# KiCad board gnss_card_rev1.kicad_pcb (continued)
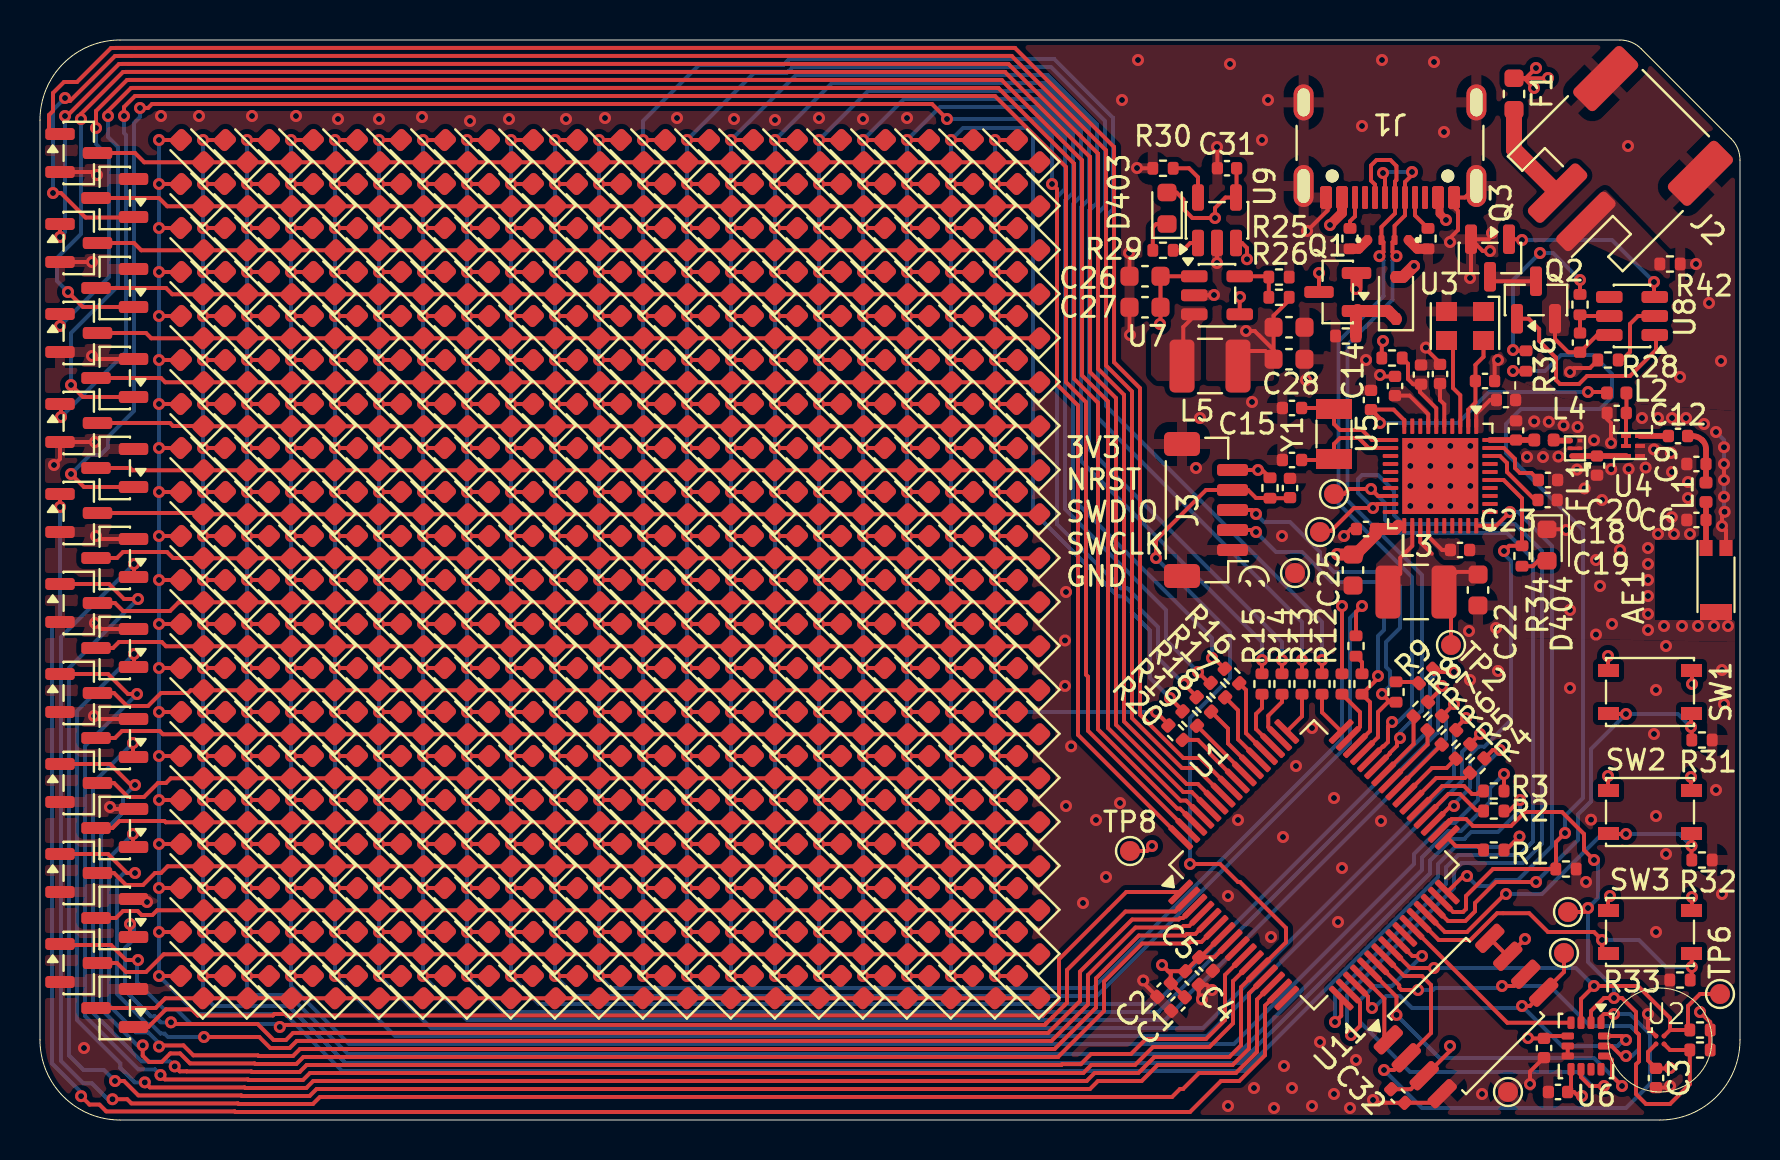
[diagram p0: board, top side]
## Routing (per net, layer and track width the routed paths; a pad name or vN(x,y) marks a point on that pad's centre or on a via; arc(x,y) is an arc through that point) (continued)
  Bottom w0.2: v1(73.97,14.17) 73.45,13.65 70.75,13.65 69.9,12.8 69.9,12.15 60.2,2.45 15.11,2.45 12.26,5.3 7.85,5.3 v1(5.95,7.2) v1(5.95,49)
Net-(D1-K): length 47.3
  Top w0.2: D1.1 D381.1 ; D1.1 8.15,47.9 ; D1.1 5.21,47.89 4.75,48.35 Q4.3
Net-(D10-K): length 47.4
  Top w0.2: Q13.3 3.85,28.1 4.15,28.4 6.35,28.4 6.65,28.1 8.15,28.1 D10.1 D390.1
Net-(D11-K): length 47.4
  Top w0.2: D391.1 D11.1 6.94,25.89 6.5,25.45 4.15,25.45 3.75,25.85 Q14.3
Net-(D21-A): length 139.1
  Top w0.2: D35.2 v1(8.15,18.2) ; D27.2 v1(8.15,35.8) ; D38.2 v1(8.15,11.6) ; D37.2 v1(8.15,13.8) ; R2.2 73.45,15.45 v1(74,16) ; D24.2 v1(8.15,42.4) ; D30.2 v1(8.15,29.2) ; D40.2 v1(8.15,7.2) ; D26.2 v1(8.15,38) ; D36.2 v1(8.15,16) ; D22.2 v1(8.15,46.8) ; D33.2 v1(8.15,22.6) ; D31.2 v1(8.15,27) ; D23.2 v1(8.15,44.6) ; D25.2 v1(8.15,40.2) ; D28.2 v1(8.15,33.6) ; D32.2 v1(8.15,24.8) ; D39.2 v1(8.15,9.4) ; D21.2 v1(8.15,49) ; D34.2 v1(8.15,20.4) ; D29.2 v1(8.15,31.4)
  Bottom w0.2: v1(8.15,49) v1(8.15,7.2) 8.15,6.25 8.7,5.7 12.42,5.7 15.28,2.85 60.02,2.85 69.5,12.33 69.5,12.97 70.58,14.05 71.22,14.05 71.57,14.4 72.9,14.4 74,15.5 v1(74,16)
Net-(D41-A): length 136.3
  Top w0.2: R3.2 v1(73.2,17.3) ; D53.2 v1(10.35,22.6) ; D46.2 v1(10.35,38) ; D60.2 v1(10.35,7.2) ; D43.2 v1(10.35,44.6) ; D44.2 v1(10.35,42.4) ; D58.2 v1(10.35,11.6) ; D51.2 v1(10.35,27) ; D54.2 v1(10.35,20.4) ; D59.2 v1(10.35,9.4) ; D57.2 v1(10.35,13.8) ; D52.2 v1(10.35,24.8) ; D47.2 v1(10.35,35.8) ; D49.2 v1(10.35,31.4) ; D48.2 v1(10.35,33.6) ; D56.2 v1(10.35,16) ; D45.2 v1(10.35,40.2) ; D42.2 v1(10.35,46.8) ; D41.2 v1(10.35,49) ; D55.2 v1(10.35,18.2) ; D50.2 v1(10.35,29.2)
  Bottom w0.2: v1(73.2,17.3) 72.5,16.6 72.5,15.9 71.05,14.45 70.42,14.45 69.1,13.13 69.1,12.5 59.9,3.3 15.39,3.3 12.44,6.25 10.35,6.25 v1(10.35,7.2) v1(10.35,49)
Net-(D61-A): length 134.1
  Top w0.2: D62.2 v1(12.55,46.8) ; v1(73,18.5) 72.64,18.5 R4.2 72.23,18.08 ; D69.2 v1(12.55,31.4) ; D74.2 v1(12.55,20.4) ; D70.2 v1(12.55,29.2) ; D71.2 v1(12.55,27) ; D78.2 v1(12.55,11.6) ; D61.2 v1(12.55,49) ; D73.2 v1(12.55,22.6) ; D64.2 v1(12.55,42.4) ; D65.2 v1(12.55,40.2) ; D80.2 v1(12.55,7.2) ; D79.2 v1(12.55,9.4) ; D66.2 v1(12.55,38) ; D68.2 v1(12.55,33.6) ; D77.2 v1(12.55,13.8) ; D76.2 v1(12.55,16) ; D72.2 v1(12.55,24.8) ; D75.2 v1(12.55,18.2) ; D67.2 v1(12.55,35.8) ; D63.2 v1(12.55,44.6)
  Bottom w0.2: v1(73,18.5) 71.9,17.4 71.9,16 70.75,14.85 70.25,14.85 68.7,13.3 68.7,12.8 59.7,3.8 15.46,3.8 12.55,6.71 v1(12.55,7.2) v1(12.55,49)
Net-(D100-A): length 130.1
  Top w0.2: D85.2 v1(14.75,40.2) ; D84.2 v1(14.75,42.4) ; D93.2 v1(14.75,22.6) ; D90.2 v1(14.75,29.2) ; D83.2 v1(14.75,44.6) ; D82.2 v1(14.75,46.8) ; D95.2 v1(14.75,18.2) ; D86.2 v1(14.75,38) ; D97.2 v1(14.75,13.8) ; D96.2 v1(14.75,16) ; D91.2 v1(14.75,27) ; v1(72,19.3) 71.51,18.81 R5.2 71.54,18.79 ; D98.2 v1(14.75,11.6) ; D81.2 v1(14.75,49) ; D89.2 v1(14.75,31.4) ; D100.2 v1(14.75,7.2) ; D87.2 v1(14.75,35.8) ; D94.2 v1(14.75,20.4) ; D99.2 v1(14.75,9.4) ; D92.2 v1(14.75,24.8) ; D88.2 v1(14.75,33.6)
  Bottom w0.2: v1(14.75,49) v1(14.75,7.2) 17.75,4.2 58.35,4.2 71.1,16.95 71.1,18.4 v1(72,19.3)
Net-(D100-K): length 47.4
  Top w0.2: Q23.3 5.78,5.6 6.27,6.09 D20.1 D400.1
Net-(D101-A): length 127.8
  Top w0.2: D101.2 v1(16.95,49) ; D114.2 v1(16.95,20.4) ; 70.81,19.51 R6.2 70.81,19.61 v1(71.3,20.1) ; D108.2 v1(16.95,33.6) ; D103.2 v1(16.95,44.6) ; D107.2 v1(16.95,35.8) ; D115.2 v1(16.95,18.2) ; D113.2 v1(16.95,22.6) ; D106.2 v1(16.95,38) ; D102.2 v1(16.95,46.8) ; D117.2 v1(16.95,13.8) ; D111.2 v1(16.95,27) ; D118.2 v1(16.95,11.6) ; D120.2 v1(16.95,7.2) ; D105.2 v1(16.95,40.2) ; D104.2 v1(16.95,42.4) ; D110.2 v1(16.95,29.2) ; D109.2 v1(16.95,31.4) ; D112.2 v1(16.95,24.8) ; D116.2 v1(16.95,16) ; D119.2 v1(16.95,9.4)
  Bottom w0.2: v1(71.3,20.1) 70.7,19.5 70.7,17.15 58.15,4.6 19.55,4.6 v1(16.95,7.2) v1(16.95,49)
Net-(D102-K): length 47.4
  Top w0.2: D382.1 D2.1 ; D2.1 6.36,45.69 5.95,46.1 Q5.3 ; D2.1 8.13,45.65
Net-(D103-K): length 47.2
  Top w0.2: D383.1 D3.1 5.06,43.49 4.7,43.85 Q6.3
Net-(D104-K): length 47.3
  Top w0.2: D384.1 D4.1 6.61,41.29 6.3,41.6 Q7.3
Net-(D105-K): length 47.2
  Top w0.2: D385.1 D5.1 5.56,39.09 5.3,39.35 Q8.3
Net-(D106-K): length 47.3
  Top w0.2: D386.1 D6.1 6.26,36.89 6.05,37.1 Q9.3
Net-(D107-K): length 47.2
  Top w0.2: D387.1 D7.1 8.15,34.7 6.65,34.7 6.5,34.85 Q10.3
Net-(D108-K): length 47.2
  Top w0.2: Q11.3 4.5,32.6 4.61,32.49 D8.1 D388.1
Net-(D109-K): length 47.1
  Top w0.2: Q12.3 8.1,30.35 D9.1 D389.1
Net-(D112-K): length 47.4
  Top w0.2: Q15.3 3.65,23.6 3.95,23.9 6.09,23.9 6.3,23.69 D12.1 D392.1
Net-(D113-K): length 47.7
  Top w0.2: Q16.3 3.7,21.35 4.35,20.7 5.4,20.7 6.05,21.35 7.4,21.35 7.54,21.49 D13.1 D393.1
Net-(D114-K): length 47.4
  Top w0.2: D394.1 D14.1 6.15,19.29 5.99,19.45 4.1,19.45 3.75,19.1 Q17.3
Net-(D115-K): length 47.8
  Top w0.2: D395.1 D15.1 6.54,17.09 6.3,16.85 5.9,16.85 5.2,16.15 4.4,16.15 3.7,16.85 Q18.3
Net-(D116-K): length 47.3
  Top w0.2: D396.1 D16.1 6.29,14.89 6.22,14.95 3.98,14.95 3.62,14.6 Q19.3
Net-(D117-K): length 47.7
  Top w0.2: Q20.3 3.7,12.35 4.3,11.75 5.15,11.75 5.75,12.35 6.05,12.35 6.39,12.69 D17.1 D397.1
Net-(D118-K): length 47.5
  Top w0.2: Q21.3 3.8,10.1 4.15,10.45 4.88,10.45 5.08,10.25 5.62,10.25 5.86,10.49 D18.1 D398.1
Net-(D119-K): length 47.6
  Top w0.2: Q22.3 3.85,7.85 4.3,7.4 5.3,7.4 6.19,8.29 D19.1 D399.1
Net-(D121-A): length 124.5
  Top w0.2: D123.2 v1(19.15,44.6) ; D138.2 v1(19.15,11.6) ; D139.2 v1(19.15,9.4) ; D126.2 v1(19.15,38) ; D134.2 v1(19.15,20.4) ; D137.2 v1(19.15,13.8) ; D127.2 v1(19.15,35.8) ; 70.11,20.19 70.11,20.21 ; D124.2 v1(19.15,42.4) ; v1(70.7,20.8) R7.2 ; D125.2 v1(19.15,40.2) ; D136.2 v1(19.15,16) ; D129.2 v1(19.15,31.4) ; D121.2 v1(19.15,49) ; D130.2 v1(19.15,29.2) ; D132.2 v1(19.15,24.8) ; D122.2 v1(19.15,46.8) ; D131.2 v1(19.15,27) ; D140.2 v1(19.15,7.2) ; D133.2 v1(19.15,22.6) ; D135.2 v1(19.15,18.2) ; D128.2 v1(19.15,33.6)
  Bottom w0.2: v1(70.7,20.8) 70.3,20.4 70.3,19.05 57.93,6.68 57.83,6.68 57.45,6.3 57.45,6.2 56.25,5 21.35,5 v1(19.15,7.2) v1(19.15,49)
Net-(D141-A): length 122.4
  Top w0.2: D142.2 v1(21.35,46.8) ; D154.2 v1(21.35,20.4) ; D150.2 v1(21.35,29.2) ; D144.2 v1(21.35,42.4) ; D149.2 v1(21.35,31.4) ; D148.2 v1(21.35,33.6) ; D156.2 v1(21.35,16) ; D153.2 v1(21.35,22.6) ; v1(70.1,21.7) 70.1,21.6 R8.2 ; D157.2 v1(21.35,13.8) ; D160.2 v1(21.35,7.2) ; D151.2 v1(21.35,27) ; D152.2 v1(21.35,24.8) ; D147.2 v1(21.35,35.8) ; D146.2 v1(21.35,38) ; D143.2 v1(21.35,44.6) ; 69.41,20.89 69.41,20.91 ; D159.2 v1(21.35,9.4) ; D158.2 v1(21.35,11.6) ; D155.2 v1(21.35,18.2) ; D145.2 v1(21.35,40.2) ; D141.2 v1(21.35,49)
  Bottom w0.2: v1(70.1,21.7) 69.9,21.5 69.9,19.38 55.92,5.4 23.15,5.4 v1(21.35,7.2) v1(21.35,49)
Net-(D161-A): length 120.9
  Top w0.2: D172.2 v1(23.55,24.8) ; D163.2 v1(23.55,44.6) ; D169.2 v1(23.55,31.4) ; D166.2 v1(23.55,38) ; R9.2 69.82,22.4 v1(70.7,22.4) ; D171.2 v1(23.55,27) ; D164.2 v1(23.55,42.4) ; D165.2 v1(23.55,40.2) ; D177.2 v1(23.55,13.8) ; D173.2 v1(23.55,22.6) ; D178.2 v1(23.55,11.6) ; D167.2 v1(23.55,35.8) ; D179.2 v1(23.55,9.4) ; D168.2 v1(23.55,33.6) ; D180.2 v1(23.55,7.2) ; D170.2 v1(23.55,29.2) ; D175.2 v1(23.55,18.2) ; D174.2 v1(23.55,20.4) ; D162.2 v1(23.55,46.8) ; D161.2 v1(23.55,49) ; D176.2 v1(23.55,16)
  Bottom w0.2: v1(70.7,22.4) 69.9,22.4 69.5,22 69.5,19.55 55.75,5.8 24.95,5.8 v1(23.55,7.2) v1(23.55,49)
Net-(D181-A): length 117.9
  Top w0.2: D195.2 v1(25.75,18.2) ; D197.2 v1(25.75,13.8) ; D182.2 v1(25.75,46.8) ; D183.2 v1(25.75,44.6) ; D189.2 v1(25.75,31.4) ; D188.2 v1(25.75,33.6) ; D199.2 v1(25.75,9.4) ; D187.2 v1(25.75,35.8) ; D196.2 v1(25.75,16) ; D181.2 v1(25.75,49) ; D185.2 v1(25.75,40.2) ; D184.2 v1(25.75,42.4) ; D191.2 v1(25.75,27) ; D190.2 v1(25.75,29.2) ; D200.2 v1(25.75,7.2) ; D198.2 v1(25.75,11.6) ; D194.2 v1(25.75,20.4) ; D186.2 v1(25.75,38) ; D193.2 v1(25.75,22.6) ; D192.2 v1(25.75,24.8) ; v1(66.1,25.7) 65.8,25.4 R10.2
  Bottom w0.2: v1(66.1,25.7) 65.5,25.1 65.5,18.87 52.83,6.2 26.75,6.2 v1(25.75,7.2) v1(25.75,49)
Net-(D201-A): length 116.4
  Top w0.2: D209.2 v1(27.95,31.4) ; D206.2 v1(27.95,38) ; D211.2 v1(27.95,27) ; v1(65.1,25.7) R11.2 ; D208.2 v1(27.95,33.6) ; D204.2 v1(27.95,42.4) ; D212.2 v1(27.95,24.8) ; D207.2 v1(27.95,35.8) ; D202.2 v1(27.95,46.8) ; D210.2 v1(27.95,29.2) ; D218.2 v1(27.95,11.6) ; D203.2 v1(27.95,44.6) ; D214.2 v1(27.95,20.4) ; D205.2 v1(27.95,40.2) ; D220.2 v1(27.95,7.2) ; D219.2 v1(27.95,9.4) ; D216.2 v1(27.95,16) ; D201.2 v1(27.95,49) ; D215.2 v1(27.95,18.2) ; D213.2 v1(27.95,22.6) ; D217.2 v1(27.95,13.8)
  Bottom w0.2: v1(65.1,25.7) 65.1,19.03 52.67,6.6 28.55,6.6 v1(27.95,7.2) v1(27.95,49)
Net-(D221-A): length 123.2
  Top w0.2: D234.2 v1(30.15,20.4) ; D239.2 v1(30.15,9.4) ; D228.2 v1(30.15,33.6) ; D221.2 v1(30.15,49) ; D235.2 v1(30.15,18.2) ; D226.2 v1(30.15,38) ; D230.2 v1(30.15,29.2) ; D240.2 v1(30.15,7.2) ; D233.2 v1(30.15,22.6) ; D238.2 v1(30.15,11.6) ; D232.2 v1(30.15,24.8) ; D229.2 v1(30.15,31.4) ; D231.2 v1(30.15,27) ; v1(64.1,23) R12.2 ; D237.2 v1(30.15,13.8) ; D225.2 v1(30.15,40.2) ; D224.2 v1(30.15,42.4) ; D227.2 v1(30.15,35.8) ; D222.2 v1(30.15,46.8) ; D236.2 v1(30.15,16) ; D223.2 v1(30.15,44.6)
  Bottom w0.2: v1(30.15,7.2) v1(30.15,49) 30.15,49.95 32.95,52.75 37.17,52.75 37.47,53.05 50.71,53.05 53.65,50.11 53.65,45.54 53.3,45.19 53.3,35.7 64.1,24.9 v1(64.1,23)
Net-(D241-A): length 119.3
  Top w0.2: D255.2 v1(32.35,18.2) ; D243.2 v1(32.35,44.6) ; D258.2 v1(32.35,11.6) ; D246.2 v1(32.35,38) ; D256.2 v1(32.35,16) ; D253.2 v1(32.35,22.6) ; D257.2 v1(32.35,13.8) ; D250.2 v1(32.35,29.2) ; D251.2 v1(32.35,27) ; D260.2 v1(32.35,7.2) ; D248.2 v1(32.35,33.6) ; D241.2 v1(32.35,49) ; D247.2 v1(32.35,35.8) ; D254.2 v1(32.35,20.4) ; D249.2 v1(32.35,31.4) ; R13.2 v1(63.1,23) ; D244.2 v1(32.35,42.4) ; D259.2 v1(32.35,9.4) ; D242.2 v1(32.35,46.8) ; D252.2 v1(32.35,24.8) ; D245.2 v1(32.35,40.2)
  Bottom w0.2: v1(63.1,23) 63.1,24.9 52.9,35.1 52.9,45.35 53.25,45.7 53.25,49.94 50.54,52.65 37.63,52.65 37.33,52.35 35.7,52.35 v1(32.35,49) v1(32.35,7.2)
Net-(D261-A): length 116.1
  Top w0.2: D276.2 v1(34.55,16) ; v1(62.1,23) R14.2 ; D266.2 v1(34.55,38) ; D268.2 v1(34.55,33.6) ; D277.2 v1(34.55,13.8) ; D261.2 v1(34.55,49) ; D273.2 v1(34.55,22.6) ; D263.2 v1(34.55,44.6) ; D270.2 v1(34.55,29.2) ; D267.2 v1(34.55,35.8) ; D269.2 v1(34.55,31.4) ; D279.2 v1(34.55,9.4) ; D264.2 v1(34.55,42.4) ; D271.2 v1(34.55,27) ; D278.2 v1(34.55,11.6) ; D274.2 v1(34.55,20.4) ; D272.2 v1(34.55,24.8) ; D275.2 v1(34.55,18.2) ; D262.2 v1(34.55,46.8) ; D280.2 v1(34.55,7.2) ; D265.2 v1(34.55,40.2)
  Bottom w0.2: v1(62.1,23) 62.1,23.9 52.45,33.55 52.45,45.47 52.85,45.87 52.85,49.78 50.38,52.25 37.8,52.25 v1(34.55,49) v1(34.55,7.2)
Net-(D281-A): length 112.8
  Top w0.2: D281.2 v1(36.75,49) ; D298.2 v1(36.75,11.6) ; D295.2 v1(36.75,18.2) ; D297.2 v1(36.75,13.8) ; D300.2 v1(36.75,7.2) ; D299.2 v1(36.75,9.4) ; D294.2 v1(36.75,20.4) ; D285.2 v1(36.75,40.2) ; D289.2 v1(36.75,31.4) ; D286.2 v1(36.75,38) ; D293.2 v1(36.75,22.6) ; D284.2 v1(36.75,42.4) ; D287.2 v1(36.75,35.8) ; R15.2 v1(61.1,23) ; D296.2 v1(36.75,16) ; D282.2 v1(36.75,46.8) ; D283.2 v1(36.75,44.6) ; D292.2 v1(36.75,24.8) ; D290.2 v1(36.75,29.2) ; D291.2 v1(36.75,27) ; D288.2 v1(36.75,33.6)
  Bottom w0.2: v1(61.1,23) 61.1,23.9 52.05,32.95 52.05,45.63 52.45,46.03 52.45,49.61 50.21,51.85 39.6,51.85 v1(36.75,49) v1(36.75,7.2)
Net-(D301-A): length 109
  Top w0.2: D319.2 v1(38.95,9.4) ; D314.2 v1(38.95,20.4) ; D306.2 v1(38.95,38) ; D318.2 v1(38.95,11.6) ; D312.2 v1(38.95,24.8) ; D309.2 v1(38.95,31.4) ; D320.2 v1(38.95,7.2) ; D305.2 v1(38.95,40.2) ; D316.2 v1(38.95,16) ; D313.2 v1(38.95,22.6) ; R16.2 58.7,23.1 v1(58.6,23.1) ; D301.2 v1(38.95,49) ; D310.2 v1(38.95,29.2) ; D302.2 v1(38.95,46.8) ; D317.2 v1(38.95,13.8) ; D311.2 v1(38.95,27) ; D315.2 v1(38.95,18.2) ; D308.2 v1(38.95,33.6) ; D303.2 v1(38.95,44.6) ; D307.2 v1(38.95,35.8) ; D304.2 v1(38.95,42.4)
  Bottom w0.2: v1(38.95,7.2) v1(38.95,49) 41.4,51.45 50.05,51.45 52.05,49.45 52.05,46.2 51.65,45.8 51.65,31.05 58.6,24.1 v1(58.6,23.1)
Net-(D321-A): length 106.5
  Top w0.2: D329.2 v1(41.15,31.4) ; D330.2 v1(41.15,29.2) ; D326.2 v1(41.15,38) ; D328.2 v1(41.15,33.6) ; D334.2 v1(41.15,20.4) ; D335.2 v1(41.15,18.2) ; v1(57.9,22.4) 58.45,21.85 R17.2 ; D331.2 v1(41.15,27) ; D325.2 v1(41.15,40.2) ; D338.2 v1(41.15,11.6) ; D327.2 v1(41.15,35.8) ; D339.2 v1(41.15,9.4) ; D321.2 v1(41.15,49) ; D336.2 v1(41.15,16) ; D324.2 v1(41.15,42.4) ; D340.2 v1(41.15,7.2) ; D323.2 v1(41.15,44.6) ; D322.2 v1(41.15,46.8) ; D333.2 v1(41.15,22.6) ; D332.2 v1(41.15,24.8) ; D337.2 v1(41.15,13.8)
  Bottom w0.2: v1(41.15,7.2) v1(41.15,49) 43.2,51.05 49.88,51.05 51.65,49.28 51.65,46.37 51.25,45.97 51.25,30.55 56.3,25.5 56.3,24 v1(57.9,22.4)
Net-(D341-A): length 104.2
  Top w0.2: D360.2 v1(43.35,7.2) ; D355.2 v1(43.35,18.2) ; D357.2 v1(43.35,13.8) ; D341.2 v1(43.35,49) ; v1(57.2,21.8) 57.83,21.17 R18.2 ; D353.2 v1(43.35,22.6) ; D345.2 v1(43.35,40.2) ; D350.2 v1(43.35,29.2) ; D359.2 v1(43.35,9.4) ; D344.2 v1(43.35,42.4) ; D342.2 v1(43.35,46.8) ; D356.2 v1(43.35,16) ; D354.2 v1(43.35,20.4) ; D349.2 v1(43.35,31.4) ; D351.2 v1(43.35,27) ; D352.2 v1(43.35,24.8) ; D348.2 v1(43.35,33.6) ; D347.2 v1(43.35,35.8) ; D358.2 v1(43.35,11.6) ; D343.2 v1(43.35,44.6) ; D346.2 v1(43.35,38)
  Bottom w0.2: v1(57.2,21.8) 55.9,23.1 55.9,24.65 54.99,25.56 54.99,25.97 54.38,26.58 54.06,26.58 50.85,29.79 50.85,46.15 51.25,46.55 51.25,49.12 49.72,50.65 45,50.65 v1(43.35,49) v1(43.35,7.2)
Net-(D361-A): length 100.4
  Top w0.2: D372.2 v1(45.55,24.8) ; D375.2 v1(45.55,18.2) ; D366.2 v1(45.55,38) ; D380.2 v1(45.55,7.2) ; D368.2 v1(45.55,33.6) ; D362.2 v1(45.55,46.8) ; D374.2 v1(45.55,20.4) ; D373.2 v1(45.55,22.6) ; D376.2 v1(45.55,16) ; D370.2 v1(45.55,29.2) ; D378.2 v1(45.55,11.6) ; R19.2 57.13,20.47 v1(56.5,21.1) ; D377.2 v1(45.55,13.8) ; D365.2 v1(45.55,40.2) ; D371.2 v1(45.55,27) ; D369.2 v1(45.55,31.4) ; D361.2 v1(45.55,49) ; D379.2 v1(45.55,9.4) ; D364.2 v1(45.55,42.4) ; D367.2 v1(45.55,35.8) ; D363.2 v1(45.55,44.6)
  Bottom w0.2: v1(45.55,7.2) v1(45.55,49) 46.15,49.6 49.3,49.6 49.65,49.25 49.65,30.42 53.89,26.18 54.21,26.18 54.59,25.8 54.59,25.38 55.5,24.47 55.5,22.1 v1(56.5,21.1)
Net-(D381-A): length 72.8
  Top w0.2: D391.2 v1(47.75,27) ; D387.2 v1(47.75,35.8) ; D388.2 v1(47.75,33.6) ; D398.2 v1(47.75,11.6) ; D385.2 v1(47.75,40.2) ; D396.2 v1(47.75,16) ; D382.2 v1(47.75,46.8) ; D400.2 v1(47.75,7.2) ; D393.2 v1(47.75,22.6) ; D392.2 v1(47.75,24.8) ; D381.2 v1(47.75,49) ; R20.2 56.42,19.78 v1(55.8,20.4) ; D384.2 v1(47.75,42.4) ; D399.2 v1(47.75,9.4) ; D395.2 v1(47.75,18.2) ; D390.2 v1(47.75,29.2) ; D397.2 v1(47.75,13.8) ; D389.2 v1(47.75,31.4) ; D383.2 v1(47.75,44.6) ; D386.2 v1(47.75,38) ; D394.2 v1(47.75,20.4)
  Bottom w0.2: v1(47.75,7.2) v1(47.75,49) ; v1(55.8,20.4) v1(47.75,20.4)
Net-(D403-K): length 1.9
  Top w0.2: R29.1 55.64,44.63 55.81,44.8 D403.1
Net-(D404-A): length 1.4
  Top w0.2: R34.1 74.64,27.69 74.91,27.96 D404.2
Net-(D405-K): length 3.5
  Top w0.2: 65.4,40.5 65.4,40.45
  Top w0.6: Q1.1 65.8,40.42 R24.1 ; Q1.1 67.4,40.45 D405.1 ; Q1.1 65.88,40.5
Net-(FL1-Pad4): length 1.1
  Top w0.2: L4.2 75.56,34 75.53,33.97
  Top w0.29: FL1.4 75.53,33.97
Net-(J1-CC1): length 1.8
  Top w0.2: R23.1 68.75,45.23 J1.A5
Net-(J1-CC2): length 1.6
  Top w0.2: R22.1 65.5,44.94 65.75,45.19 J1.B5
Net-(J2-Pin_1): length 4.4
  Top w0.2: Q2.2 75.75,39.05 76.41,38.39 C30.2 77.86,39.25 U8.6
Net-(J2-Pin_2): length 7.2
  Top w0.2: J2.2 76.1,46.56 76.1,47 ; J2.2 75.56,46.34 ; J2.2 75.84,46.34 75.1,45.6
  Top w0.8: J2.2 73.7,48.52 F1.1
Net-(Q1-S): length 17.6
  Top w0.2: U7.1 C26.2 C27.2 56.02,39.83 v1(56,39.8) ; U7.4 59.99,41.14 v1(60,41.15) ; 65.83,41.58 v1(65.8,41.55)
  Top w0.6: Q1.2 65.83,41.58
  In2.Cu w0.2: v1(56,39.8) 58.65,39.8 v1(60,41.15) 60.55,41.7 65.35,41.7 66.55,40.5
Net-(Q2-D): length 2.4
  Top w0.2: Q3.3 72.72,41.94 Q2.3
Net-(Q2-G): length 10.8
  Top w0.2: U8.1 80.8,39.19 80.8,38.5 79.5,37.2 77.35,37.2 76.95,36.8 76,36.8 75.8,37 75.8,38.11 74.96,38.96 74.96,39.54 74.44,40.06 Q2.1
Net-(Q3-G): length 8.9
  Top w0.2: Q3.1 74.06,44.04 v1(74.1,44) ; v1(80.7,41.9) 80.7,41.19 U8.3
  Bottom w0.2: v1(74.1,44) 78.6,44 v1(80.7,41.9)
Net-(U1-PB11): length 45.1
  Top w0.2: U1.31 70.66,10.4 71.15,10.4 71.3,10.55 71.3,11.2 72.65,12.55 R37.1 75.8,12.56 75.8,13.9 v1(76.25,14.35) ; R36.2 73.66,37.44 v1(73.65,37.45)
  Bottom w0.2: v1(73.65,37.45) 75.25,37.45 76.05,38.25 77.65,38.25 78.6,37.3 78.6,36.15 78,35.55 74.05,35.55 73.3,34.8 73.3,33.35 77.1,29.55 77.15,29.55 77.15,16.1 76.25,15.2 v1(76.25,14.35)
Net-(U3-CLK): length 4.6
  Top w0.2: U3.3 70.65,38.65 70.65,36.6 71.01,36.24 U5.3
Net-(U3-VCC): length 4.6
  Top w0.2: U5.2 71.41,35.51 71.77,35.87 71.77,37.75 72.17,38.16 U3.4
Net-(U4-EN): length 2.9
  Top w0.2: U4.5 U4.4 79.3,35.22 79.17,35.35 C16.2 79.32,35.36 L2.1
Net-(U4-RFIN): length 1.4
  Top w0.29: C12.1 U4.3
Net-(U4-RFOUT): length 2.7
  Top w0.2: 76.61,33.2 76.6,33.2
  Top w0.29: U4.6 C20.2 76.61,33.2
Net-(U5-DX_OUT): length 2.7
  Top w0.2: 68.01,27.3 68.01,28.11 68.61,28.71 U5.22
Net-(U5-RTC_I): length 5.5
  Top w0.2: U5.12 66.43,33.6 65.93,34.1 65,34.1 64.7,33.8 Y1.2 64.65,33 C17.2
Net-(U5-RTC_O): length 5.5
  Top w0.2: U5.11 66.6,34 66.1,34.5 65,34.5 64.7,34.8 Y1.1 64.65,35.6 C15.2
Net-(U5-VCORE): length 6.1
  Top w0.2: C22.1 71.77,27.41 70.83,27.41 70.72,27.3 ; L3.2 70.55,26.05 70.55,24.05 70.25,23.75 TP2.1 ; U5.23 69.01,28.89 69.59,28.31
Net-(U5-VDD12BB): length 1.9
  Top w0.2: U5.24 69.41,29.19 70.1,28.5 C23.1
Net-(U5-VDD12BK): length 2.2
  Top w0.2: U5.5 70.21,35.79 70,36 C7.1
Net-(U5-VDD_ANA): length 1.9
  Top w0.2: U5.1 71.81,35.31 72.5,36 C13.1
Net-(U5-VDD_BK): length 4.4
  Top w0.2: R21.1 68.4,37.81 68.4,37.05 68.66,36.79 C10.2 ; 69,36.79 69,36.4 69.81,35.59 U5.6
Net-(U5-VDD_IO): length 2.6
  Top w0.2: U5.7 69.41,35.29 68.48,36.22 C11.2
Net-(U5-VDD_PLL): length 3.6
  Top w0.2: U5.38 73,33.2 73.35,32.85 73.35,32.4 74.75,31 C18.2
Net-(U5-VDD_RF): length 3.3
  Top w0.2: U5.39 73.2,33.6 73.75,33.05 73.75,32.6 74,32.35 74.57,32.35 C19.2
Net-(U7-SW): length 2.9
  Top w0.2: U7.3 57.73,40.27 57.73,40.21 57.16,39.65 57.16,37.76 L5.1
Net-(U7-VOUT): length 2.5
  Top w0.2: U7.5 61.4,42.19 R26.2 R25.1
Net-(U8-CS): length 3.6
  Top w0.2: U8.2 79.9,40.2 79.5,39.8 79.5,38.4 79.1,38 R28.2
Net-(U8-VCC): length 2.4
  Top w0.2: C30.1 R27.2 77.06,40.2 U8.5
Net-(U9-PROG): length 2.4
  Top w0.2: 57.9,46.12 57.9,47.14 57.45,47.59 R30.1
Net-(U9-~{CHRG}): length 1.4
  Top w0.2: R29.2 57.15,43.49 57.51,43.85 U9.1

## Copper pours and planes (outline as drawn; the poured copper is in the pictures)
+3V3 on Top: 58.3,41.15 58.3,36.95 61.7,36.95 61.7,40.4 60.95,41.15
+3V3 on In2.Cu: 55.25,39.55 71.1,39.55 79.65,31 79.65,10.7 71.25,2.3 56.85,2.3 55.25,3.9
GND on Top: 74.06,34.11 72.18,34.48 73.3,37.19 76.17,36.07 84.96,35.43 85,23.9 74.1,24.1
GND on Top, Bottom, In1.Cu, In2.Cu: 85,54 85,-0.1 0,-0.1 0,54
VBUS on Top: 55.4,42.9 58.4,42.9 58.4,42.1 56.85,42.1 56.5,41.75 56.5,39.9 55.4,39.9
VBUS on In2.Cu: 71.8,44.85 54.4,44.85 54.4,47.75 55.3,48.65 70.55,48.65 71.8,47.4
+BATT on In2.Cu: 78.15,44.35 75.9,42.05 59.4,42.05 59.4,44.85 71.8,44.85 73,45.9 73,52.9 78.1,52.9 78.15,52.57
Net-(J2-Pin_1) on Top: 78.2,46.5 75.1,43.4 75.1,39.2 76.5,39.2 76.5,43.1 77.3,43.9 81.5,42 81.5,43.2 78.3,46.5
Net-(Q1-S) on In2.Cu: 59.4,44.85 54.4,44.85 54.4,39.55 75.95,39.55 75.95,42 75.9,42.05 59.4,42.05
Net-(Q2-D) on Top: 75.1,42.9 72.2,42.9 72.2,41.2 75.1,41.2
Net-(U5-DX_OUT) on Top: 68.5,30.1 68.5,29.5 66.8,27.8 66.8,26.7 68.8,26.7 68.8,30.1
Net-(U5-VCORE) on Top: 69.2,30.1 69.2,29 69.7,28.5 71.6,28.5 71.8,28.3 71.8,26.8 71.7,26.7 68.8,26.7 68.8,29.7
Net-(U5-VDD12BB) on Top: 69.6,30.1 69.6,29.4 70.6,29.4 71,29 71,28 70.2,28 69.2,29 69.2,30.1
Net-(U5-VDD12BK) on Top: 70.5,37.3 69.5,37.3 69.5,36.2 70,35.7 70,34.2 70.5,34.2
Net-(U5-VDD_ANA) on Top: 71.6,34.3 72.18,34.3 72.18,35.2 72.48,35.5 73.1,35.5 73.1,36.5 72,36.5 71.6,36.1
Net-(U5-VDD_BK) on Top: 69.5,37.3 68.5,37.3 68.5,36.4 69.6,35.3 69.6,34.2 70,34.2 70,35.7 69.5,36.2
Net-(U5-VDD_IO) on Top: 68.5,37.3 67.5,37.3 67.5,36 68.2,35.3 69.2,35.3 69.2,34.2 69.6,34.2 69.6,36.2
Net-(U7-SW) on Top: 58.3,41.15 58.3,36.95 55.85,36.95 55.55,37.25 55.55,39.55 56.25,40.25 56.25,41.15

## Text on the board
F.Silkscreen: 3V3 / NRST / SWDIO / SWCLK / GND
